# Altium PCB Lancelot.PcbDoc (part 6 of 14)
Units mil, origin at the board's own origin, x right, y up, seen from the top; angles counter-clockwise.
Board outline 4837.61 x 3252.61 mil, 6 copper layers (Top Layer, Mid-Layer 1, Mid-Layer 2, Mid-Layer 3, Mid-Layer 4, Bottom Layer); 372 components, 275 nets, 2062 pads, 1350 vias.
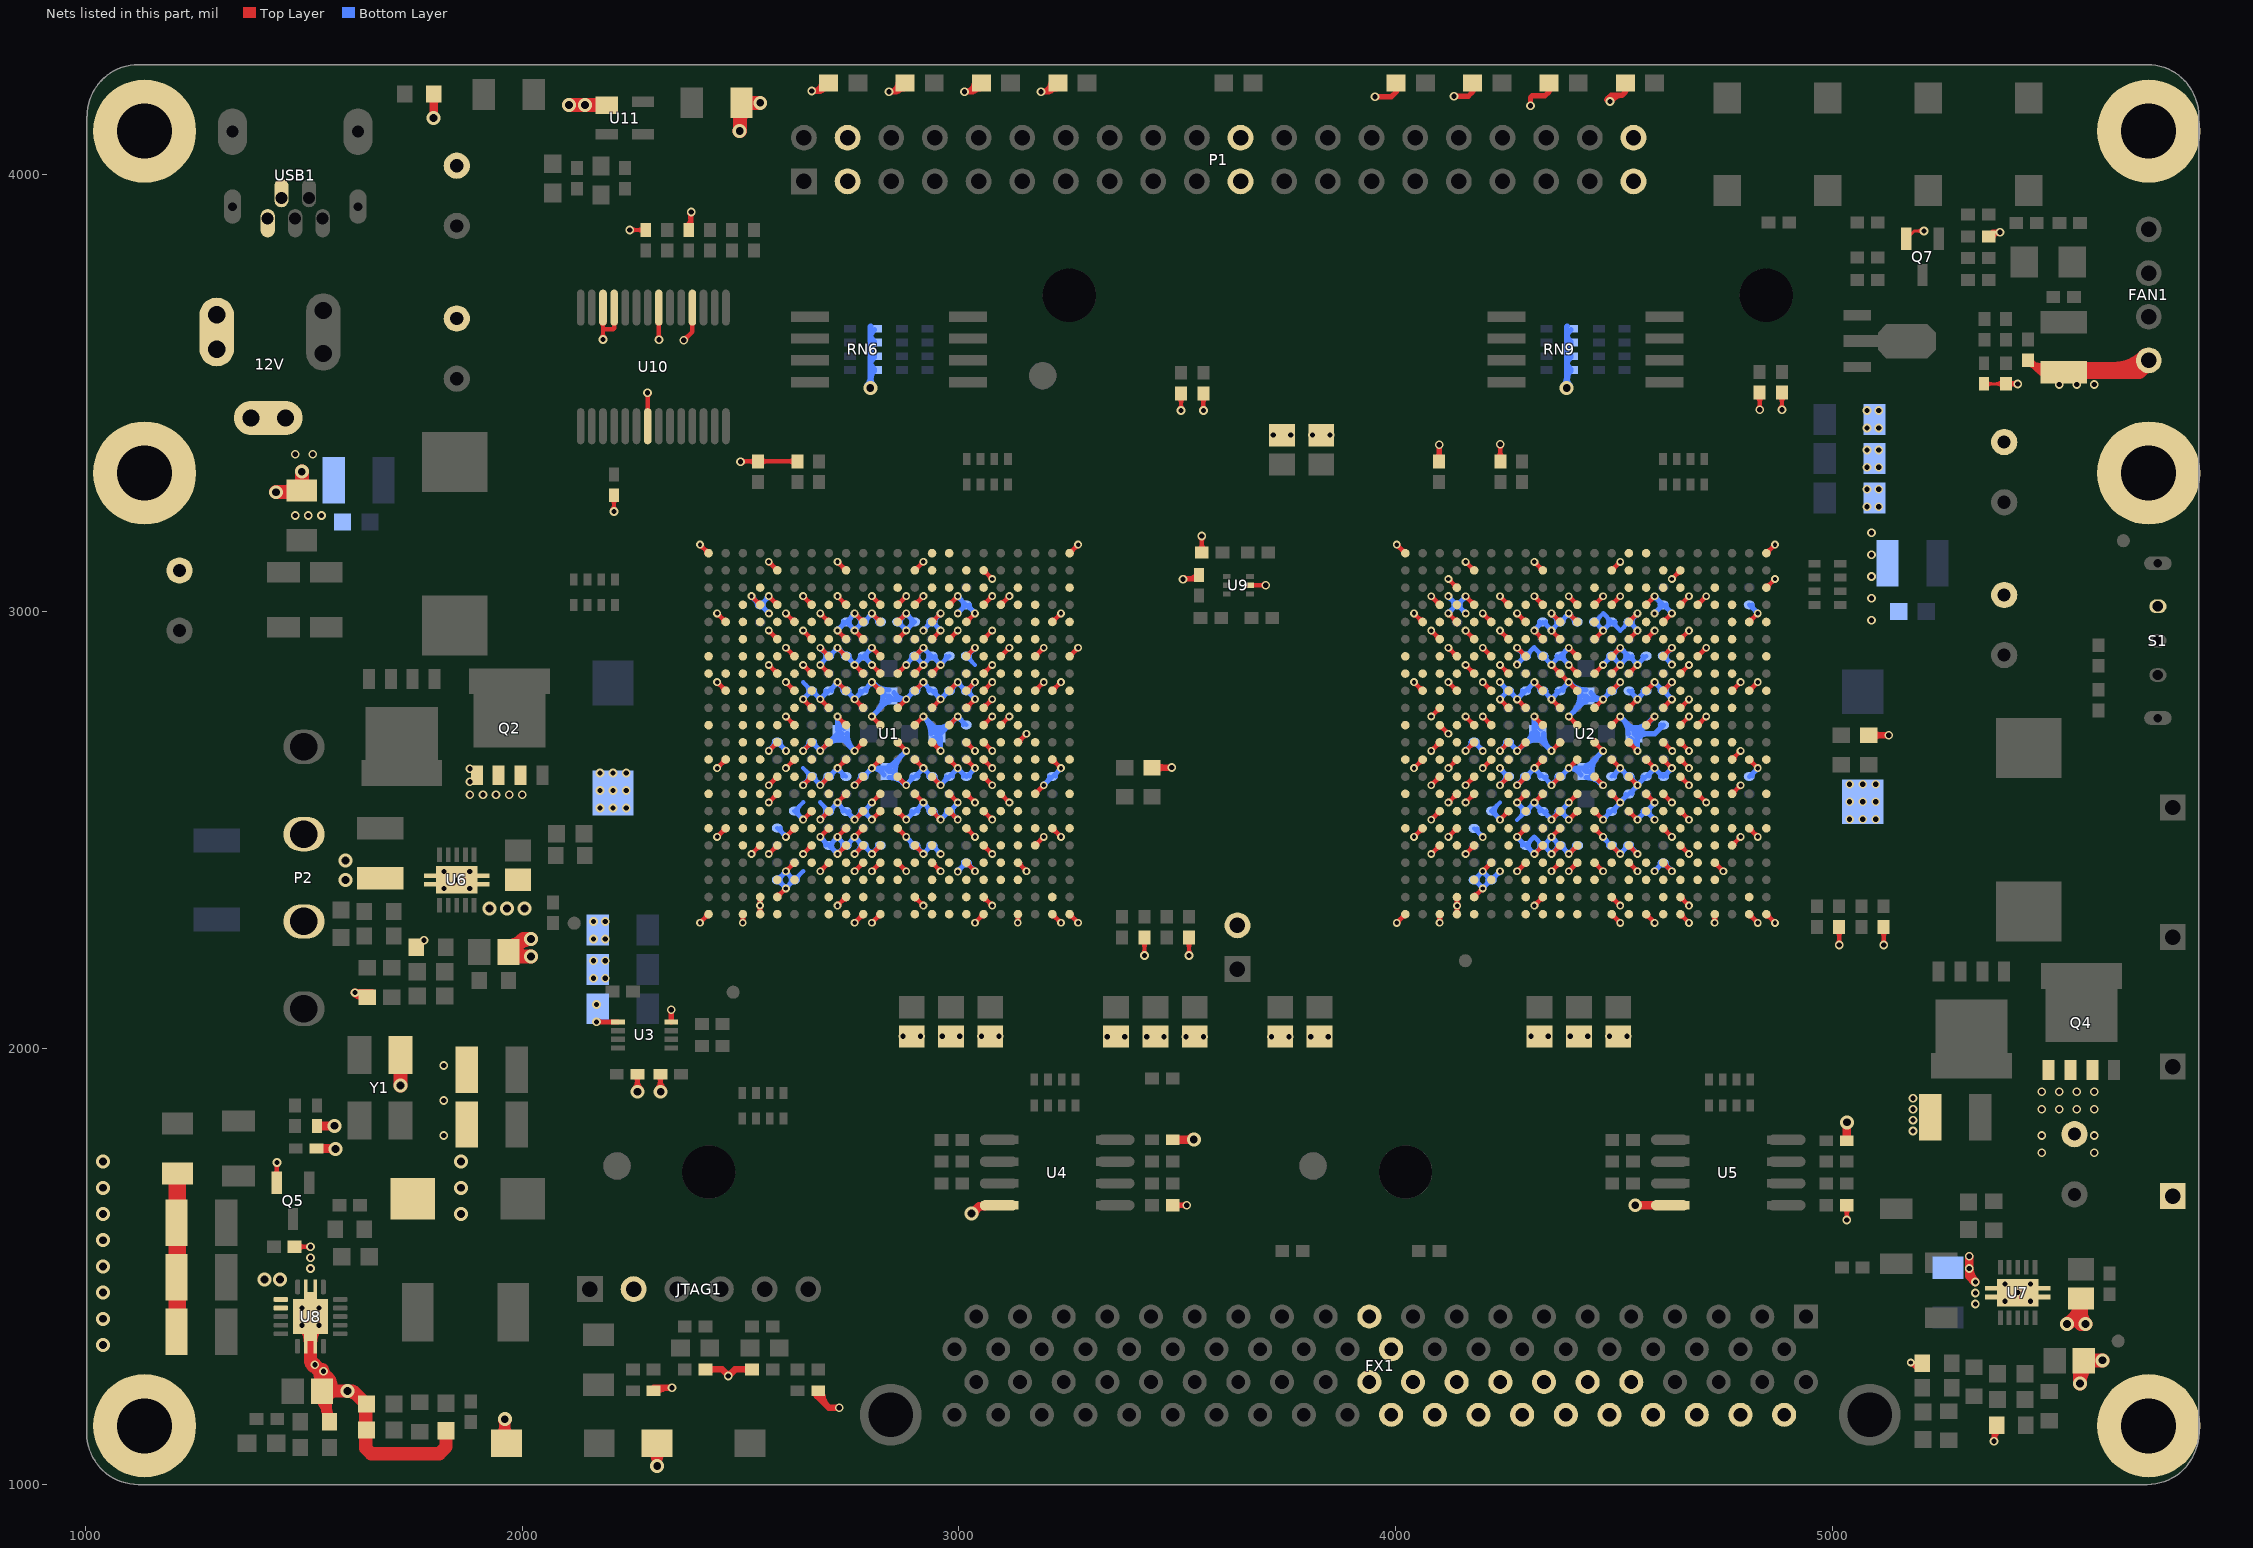
[diagram p10: the nets of this part, all layers, seen from the top]

## Via types
v1: diameter 18, hole 10, Top Layer to Bottom Layer, tented both sides, 625 vias
v2: diameter 20, hole 12, Top Layer to Bottom Layer, tented both sides, 515 vias
v3: diameter 32, hole 18, Top Layer to Bottom Layer, tented both sides, 191 vias
v4: diameter 23.62, hole 11.81, Top Layer to Bottom Layer, tented bottom, 10 vias
v5: diameter 19.68, hole 11.81, Top Layer to Bottom Layer, tented bottom, 4 vias
v6: diameter 118.11, hole 118.11, Top Layer to Bottom Layer, tented bottom, 2 vias
v7: diameter 78.74, hole 78.74, Top Layer to Bottom Layer, tented bottom, 2 vias
v8: diameter 50, hole 28, Top Layer to Bottom Layer, tented both sides, 1 vias

## Nets (pads, with @x,y where several pads share a name; then routed paths per layer and width w, separated by ;. In a path a pad name is that pad's centre, name@x,y a point inside that pad or via, vN(x,y) a via of type N, cw(c..) or ccw(c..) an arc to the next point about the centre after c; other vN are vias at no path point) (continued)
GND: (continued)
  Top Layer w10: Q5.2@1432.78,1709.93 ccw(c1421.16,1721.56) 1437.6,1721.56 ccw(c1454.04,1721.56) Q5.2@1442.41,1709.93 ; v2@1434.46,1734.46 cw(c1426.9,1726.9) 1437.6,1726.9 ; Q5.2@1437.6,1691.34 1437.6,1737.6 v2(1438,1738) ; 1437.6,1724.96 cw(c1451.04,1724.96) v2@1441.54,1734.46 ; R61.2@1478.62,1545 v2(1515,1545) ; R61.2@1486.8,1538.79 cw(c1501.79,1523.8) 1501.79,1545 cw(c1501.79,1566.2) R61.2@1486.8,1551.21 ; v2@1511.46,1541.46 ccw(c1502.93,1532.93) 1502.93,1545 ccw(c1502.93,1557.07) v2@1511.46,1548.54 ; R44.1@1750.47,2230 1758,2230 v2(1774.75,2246.75) ; R44.1@1769.75,2246.75 cw(c1757.68,2246.75) 1766.21,2238.21 cw(c1774.75,2229.68) R44.1@1774.75,2241.75 ; v2@2181.46,3626.54 ccw(c2173.31,3634.69) 2184.84,3634.69 ; U10.26@2182.11,3660.62 cw(c2175.53,3654.03) 2184.84,3654.03 cw(c2194.16,3654.03) U10.26@2187.57,3660.62 ; 2184.84,3635.45 ccw(c2197.45,3635.45) v2@2188.54,3626.54 ; U10.26@2184.84,3695.83 2184.84,3646 ; v2(2185,3623) 2184.84,3623.16 2184.84,3646 ; C185.1@2205.18,3257.62 cw(c2193.56,3246) 2210,3246 cw(c2226.44,3246) C185.1@2214.82,3257.62 ; v2@2206.46,3232.54 ccw(c2197.93,3241.07) 2210,3241.07 ccw(c2222.07,3241.07) v2@2213.54,3232.54 ; U10.25@2207.7,3660.62 cw(c2201.12,3654.03) 2210.43,3654.03 cw(c2219.75,3654.03) U10.25@2213.16,3660.62 ; v2(2210,3229) C185.1@2210,3266.38 ; U10.25@2210.43,3695.83 2210.43,3648.43 2208,3646 2184.84,3646 ; v2(2246.38,3873.62) C184.2@2283,3873.62 ; v2@2249.91,3870.09 cw(c2258.45,3861.55) 2258.45,3873.62 cw(c2258.45,3885.69) v2@2249.91,3877.16 ; C184.2@2278.18,3868.81 ccw(c2266.56,3857.18) 2266.56,3873.62 ccw(c2266.56,3890.07) C184.2@2278.18,3878.44 ; v2@2283.46,3497.46 cw(c2274.93,3488.93) 2287,3488.93 cw(c2299.07,3488.93) v2@2290.54,3497.46 ; U10.7@2287,3424.17 v2(2287,3501) ; 2287,3466.46 ccw(c2297.01,3466.46) U10.7@2289.93,3459.38 ; v3@2308.7,1043.3 v3(2309,1043) ; v2@2309.46,3625.54 ccw(c2301.42,3633.58) 2312.8,3633.58 ; U10.21@2310.07,3660.62 cw(c2303.48,3654.03) 2312.8,3654.03 cw(c2322.11,3654.03) U10.21@2315.52,3660.62 ; 2312.8,3634.57 ccw(c2325.57,3634.57) v2@2316.54,3625.54 ; U10.21@2312.8,3695.83 2312.8,3622.2 v2(2313,3622) ; v2(2370,3621) 2389.57,3640.57 U10.18@2389.57,3695.83 ; v2@2370,3626 ccw(c2370,3638.07) 2378.54,3629.54 ccw(c2387.07,3621) v2@2375,3621 ; C187.2@2376.18,3882.38 ccw(c2350.07,3908.49) v2@2387,3908.49 ; v2@2382.67,3912.5 cw(c2367.23,3903.59) 2384.45,3898.97 ; v2@2383.46,3911.46 cw(c2374.93,3902.93) 2387,3902.93 cw(c2399.07,3902.93) v2@2390.54,3911.46 ; U10.18@2386.84,3660.62 cw(c2380.25,3654.03) 2389.57,3654.03 cw(c2398.88,3654.03) U10.18@2392.3,3660.62 ; C187.2@2387,3873.62 v2(2387,3915) ; v1(2406.93,2286.93) U1.AB1@2426.61,2306.61 ; v1@2406.93,2290.93 ccw(c2406.93,2300.59) 2413.76,2293.76 ccw(c2420.59,2286.93) v1@2410.93,2286.93 ; v1@2406.93,3149.07 cw(c2406.93,3139.41) 2413.76,3146.24 cw(c2420.59,3153.07) v1@2410.93,3153.07 ; v1(2406.93,3153.07) U1.A1@2426.61,3133.39 ; U1.AB1@2421.77,2306.61 cw(c2410.08,2306.61) 2418.35,2298.35 cw(c2426.61,2290.08) U1.AB1@2426.61,2301.77 ; U1.A1@2421.77,3133.39 ccw(c2410.08,3133.39) 2418.35,3141.65 ccw(c2426.61,3149.92) U1.A1@2426.61,3138.23 ; v1(2446.3,2483.78) U1.U2@2465.98,2503.46 ; v1@2446.3,2487.78 ccw(c2446.3,2497.44) 2453.13,2490.61 ccw(c2459.96,2483.78) v1@2450.3,2483.78 ; v1(2446.3,2641.26) U1.N2@2465.98,2660.95 ; v1@2446.3,2645.26 ccw(c2446.3,2654.92) 2453.13,2648.09 ccw(c2459.96,2641.26) v1@2450.3,2641.26 ; v1@2446.3,2834.11 cw(c2446.3,2824.45) 2453.13,2831.28 cw(c2459.96,2838.11) v1@2450.3,2838.11 ; v1(2446.3,2838.11) U1.J2@2465.98,2818.43 ; v1@2446.3,2991.59 cw(c2446.3,2981.93) 2453.13,2988.76 cw(c2459.96,2995.59) v1@2450.3,2995.59 ; v1(2446.3,2995.59) U1.E2@2465.98,2975.91 ; U1.U2@2461.14,2503.46 cw(c2449.45,2503.46) 2457.72,2495.2 cw(c2465.98,2486.93) U1.U2@2465.98,2498.62 ; U1.N2@2461.14,2660.95 cw(c2449.45,2660.95) 2457.72,2652.68 cw(c2465.98,2644.41) U1.N2@2465.98,2656.1 ; U1.J2@2461.14,2818.43 ccw(c2449.45,2818.43) 2457.72,2826.69 ccw(c2465.98,2834.96) U1.J2@2465.98,2823.27 ; U1.E2@2461.14,2975.91 ccw(c2449.45,2975.91) 2457.72,2984.17 ccw(c2465.98,2992.44) U1.E2@2465.98,2980.75 ; v2(2500,3343) 2500.62,3343.62 R84.2@2630,3343.62 ; v2@2503.54,3339.46 cw(c2513.57,3329.43) 2513.57,3343.62 ; v2@2503.54,3346.54 ccw(c2510.57,3353.57) 2510.57,3343.62 ; v1(2525.04,2444.41) U1.V4@2544.72,2464.09 ; v1@2525.04,2448.41 ccw(c2525.04,2458.07) 2531.87,2451.24 ccw(c2538.7,2444.41) v1@2529.04,2444.41 ; v1@2525.04,3030.96 cw(c2525.04,3021.3) 2531.87,3028.13 cw(c2538.7,3034.96) v1@2529.04,3034.96 ; v1(2525.04,3034.96) U1.D4@2544.72,3015.28 ; R13.1@2533.79,3337.41 ccw(c2518.8,3322.43) 2518.8,3343.62 ccw(c2518.8,3364.82) R13.1@2533.79,3349.83 ; U1.V4@2539.88,2464.09 cw(c2528.19,2464.09) 2536.46,2455.83 cw(c2544.72,2447.56) U1.V4@2544.72,2459.25 ; U1.D4@2539.88,3015.28 ccw(c2528.19,3015.28) 2536.46,3023.54 ccw(c2544.72,3031.81) U1.D4@2544.72,3020.12 ; U1.AB4@2541.3,2310.04 ccw(c2533.03,2318.3) 2544.72,2318.3 ccw(c2556.42,2318.3) U1.AB4@2548.15,2310.04 ; v1@2541.55,2323.61 cw(c2533.88,2315.95) U1.AB4@2544.72,2315.95 ; v1@2541.96,2323.26 cw(c2538.1,2318.19) 2544.25,2316.54 ; U1.AB4@2544.72,2306.61 v1@2544.72,2326.79 ; U1.AB4@2545.5,2315.42 cw(c2554.42,2317.81) v1@2547.41,2323.83 ; R13.1@2546.21,3337.41 cw(c2561.2,3322.43) 2561.2,3343.62 cw(c2561.2,3364.82) R13.1@2546.21,3349.83 ; v1(2564.41,2444.41) U1.V5@2584.09,2464.09 ; v1@2564.41,2448.41 ccw(c2564.41,2458.07) 2571.24,2451.24 ccw(c2578.07,2444.41) v1@2568.41,2444.41 ; v1(2564.41,2562.52) U1.R5@2584.09,2582.2 ; v1@2564.41,2566.52 ccw(c2564.41,2576.18) 2571.24,2569.35 ccw(c2578.07,2562.52) v1@2568.41,2562.52 ; v1(2564.41,2601.89) U1.P5@2584.09,2621.57 ; v1@2564.41,2605.89 ccw(c2564.41,2615.55) 2571.24,2608.72 ccw(c2578.07,2601.89) v1@2568.41,2601.89 ; v1(2564.41,2680.63) U1.M5@2584.09,2700.32 ; v1@2564.41,2684.63 ccw(c2564.41,2694.29) 2571.24,2687.46 ccw(c2578.07,2680.63) v1@2568.41,2680.63 ; v1@2564.41,2873.48 cw(c2564.41,2863.82) 2571.24,2870.65 cw(c2578.07,2877.48) v1@2568.41,2877.48 ; v1(2564.41,2877.48) U1.H5@2584.09,2857.8 ; v1@2564.41,2952.22 cw(c2564.41,2942.56) 2571.24,2949.39 cw(c2578.07,2956.22) v1@2568.41,2956.22 ; v1(2564.41,2956.22) U1.F5@2584.09,2936.54 ; v1@2564.41,3030.96 cw(c2564.41,3021.3) 2571.24,3028.13 cw(c2578.07,3034.96) v1@2568.41,3034.96 ; v1(2564.41,3034.96) U1.D5@2584.09,3015.28 ; v1@2564.41,3109.7 cw(c2564.41,3100.04) 2571.24,3106.87 cw(c2578.07,3113.7) v1@2568.41,3113.7 ; v1(2564.41,3113.7) U1.B5@2584.09,3094.02 ; U1.V5@2579.25,2464.09 cw(c2567.56,2464.09) 2575.83,2455.83 cw(c2584.09,2447.56) U1.V5@2584.09,2459.25 ; U1.R5@2579.25,2582.2 cw(c2567.56,2582.2) 2575.83,2573.94 cw(c2584.09,2565.67) U1.R5@2584.09,2577.36 ; U1.P5@2579.25,2621.57 cw(c2567.56,2621.57) 2575.83,2613.31 cw(c2584.09,2605.04) U1.P5@2584.09,2616.73 ; U1.M5@2579.25,2700.32 cw(c2567.56,2700.32) 2575.83,2692.05 cw(c2584.09,2683.78) U1.M5@2584.09,2695.47 ; U1.H5@2579.25,2857.8 ccw(c2567.56,2857.8) 2575.83,2866.06 ccw(c2584.09,2874.33) U1.H5@2584.09,2862.64 ; U1.F5@2579.25,2936.54 ccw(c2567.56,2936.54) 2575.83,2944.8 ccw(c2584.09,2953.07) U1.F5@2584.09,2941.38 ; U1.D5@2579.25,3015.28 ccw(c2567.56,3015.28) 2575.83,3023.54 ccw(c2584.09,3031.81) U1.D5@2584.09,3020.12 ; U1.B5@2579.25,3094.02 ccw(c2567.56,3094.02) 2575.83,3102.28 ccw(c2584.09,3110.55) U1.B5@2584.09,3098.86 ; U1.AA5@2584.09,2345.98 2603.71,2365.6 v1(2603.78,2365.6) ; U1.AA5@2584.09,2350.83 ccw(c2584.09,2362.52) 2592.36,2354.25 ccw(c2600.63,2345.98) U1.AA5@2588.94,2345.98 ; 2596.83,2358.72 cw(c2603.78,2351.77) v1@2603.78,2361.6 ; 2597,2358.89 ccw(c2590.29,2365.6) v1@2599.78,2365.6 ; v1(2603.78,2405.04) U1.W6@2623.46,2424.72 ; v1@2603.78,2409.04 ccw(c2603.78,2418.7) 2610.61,2411.87 ccw(c2617.44,2405.04) v1@2607.78,2405.04 ; v1(2603.78,2483.78) U1.U6@2623.46,2503.46 ; v1@2603.78,2487.78 ccw(c2603.78,2497.44) 2610.61,2490.61 ccw(c2617.44,2483.78) v1@2607.78,2483.78 ; v1(2603.78,2641.26) U1.N6@2623.46,2660.95 ; v1@2603.78,2645.26 ccw(c2603.78,2654.92) 2610.61,2648.09 ccw(c2617.44,2641.26) v1@2607.78,2641.26 ; v1@2603.78,2755.37 cw(c2603.78,2745.71) 2610.61,2752.54 cw(c2617.44,2759.37) v1@2607.78,2759.37 ; v1(2603.78,2759.37) U1.L6@2623.46,2739.69 ; v1@2603.78,2834.11 cw(c2603.78,2824.45) 2610.61,2831.28 cw(c2617.44,2838.11) v1@2607.78,2838.11 ; v1(2603.78,2838.11) U1.J6@2623.46,2818.43 ; v1@2603.78,2912.85 cw(c2603.78,2903.19) 2610.61,2910.02 cw(c2617.44,2916.85) v1@2607.78,2916.85 ; v1(2603.78,2916.85) U1.G6@2623.46,2897.17 ; v1@2603.78,2991.59 cw(c2603.78,2981.93) 2610.61,2988.76 cw(c2617.44,2995.59) v1@2607.78,2995.59 ; v1(2603.78,2995.59) U1.E6@2623.46,2975.91 ; U1.W6@2618.62,2424.72 cw(c2606.93,2424.72) 2615.2,2416.46 cw(c2623.46,2408.19) U1.W6@2623.46,2419.88 ; U1.U6@2618.62,2503.46 cw(c2606.93,2503.46) 2615.2,2495.2 cw(c2623.46,2486.93) U1.U6@2623.46,2498.62 ; U1.N6@2618.62,2660.95 cw(c2606.93,2660.95) 2615.2,2652.68 cw(c2623.46,2644.41) U1.N6@2623.46,2656.1 ; U1.L6@2618.62,2739.69 ccw(c2606.93,2739.69) 2615.2,2747.95 ccw(c2623.46,2756.22) U1.L6@2623.46,2744.53 ; U1.J6@2618.62,2818.43 ccw(c2606.93,2818.43) 2615.2,2826.69 ccw(c2623.46,2834.96) U1.J6@2623.46,2823.27 ; U1.G6@2618.62,2897.17 ccw(c2606.93,2897.17) 2615.2,2905.43 ccw(c2623.46,2913.7) U1.G6@2623.46,2902.01 ; U1.E6@2618.62,2975.91 ccw(c2606.93,2975.91) 2615.2,2984.17 ccw(c2623.46,2992.44) U1.E6@2623.46,2980.75 ; R84.2@2623.79,3337.41 ccw(c2608.8,3322.43) 2608.8,3343.62 ccw(c2608.8,3364.82) R84.2@2623.79,3349.83 ; v1(2643.15,2444.41) U1.V7@2662.83,2464.09 ; v1@2643.15,2448.41 ccw(c2643.15,2458.07) 2649.98,2451.24 ccw(c2656.81,2444.41) v1@2647.15,2444.41 ; v1(2643.15,2523.15) U1.T7@2662.83,2542.83 ; v1@2643.15,2527.15 ccw(c2643.15,2536.81) 2649.98,2529.98 ccw(c2656.81,2523.15) v1@2647.15,2523.15 ; v1(2643.15,2601.89) U1.P7@2662.83,2621.57 ; v1@2643.15,2605.89 ccw(c2643.15,2615.55) 2649.98,2608.72 ccw(c2656.81,2601.89) v1@2647.15,2601.89 ; v1(2643.15,2680.63) U1.M7@2662.83,2700.32 ; v1@2643.15,2684.63 ccw(c2643.15,2694.29) 2649.98,2687.46 ccw(c2656.81,2680.63) v1@2647.15,2680.63 ; v1@2643.15,2794.74 cw(c2643.15,2785.08) 2649.98,2791.91 cw(c2656.81,2798.74) v1@2647.15,2798.74 ; v1(2643.15,2798.74) U1.K7@2662.83,2779.06 ; v1@2643.15,2873.48 cw(c2643.15,2863.82) 2649.98,2870.65 cw(c2656.81,2877.48) v1@2647.15,2877.48 ; v1(2643.15,2877.48) U1.H7@2662.83,2857.8 ; v1@2643.15,2952.22 cw(c2643.15,2942.56) 2649.98,2949.39 cw(c2656.81,2956.22) v1@2647.15,2956.22 ; v1(2643.15,2956.22) U1.F7@2662.83,2936.54 ; v1@2643.15,3030.96 cw(c2643.15,3021.3) 2649.98,3028.13 cw(c2656.81,3034.96) v1@2647.15,3034.96 ; v1(2643.15,3034.96) U1.D7@2662.83,3015.28 ; U1.V7@2657.99,2464.09 cw(c2646.3,2464.09) 2654.57,2455.83 cw(c2662.83,2447.56) U1.V7@2662.83,2459.25 ; U1.T7@2657.99,2542.83 cw(c2646.3,2542.83) 2654.57,2534.57 cw(c2662.83,2526.3) U1.T7@2662.83,2537.99 ; U1.P7@2657.99,2621.57 cw(c2646.3,2621.57) 2654.57,2613.31 cw(c2662.83,2605.04) U1.P7@2662.83,2616.73 ; U1.M7@2657.99,2700.32 cw(c2646.3,2700.32) 2654.57,2692.05 cw(c2662.83,2683.78) U1.M7@2662.83,2695.47 ; U1.K7@2657.99,2779.06 ccw(c2646.3,2779.06) 2654.57,2787.32 ccw(c2662.83,2795.59) U1.K7@2662.83,2783.9 ; U1.H7@2657.99,2857.8 ccw(c2646.3,2857.8) 2654.57,2866.06 ccw(c2662.83,2874.33) U1.H7@2662.83,2862.64 ; U1.F7@2657.99,2936.54 ccw(c2646.3,2936.54) 2654.57,2944.8 ccw(c2662.83,2953.07) U1.F7@2662.83,2941.38 ; U1.D7@2657.99,3015.28 ccw(c2646.3,3015.28) 2654.57,3023.54 ccw(c2662.83,3031.81) U1.D7@2662.83,3020.12 ; v1(2682.52,2405.04) U1.W8@2702.2,2424.72 ; v1@2682.52,2409.04 ccw(c2682.52,2418.7) 2689.35,2411.87 ccw(c2696.18,2405.04) v1@2686.52,2405.04 ; v1(2682.52,2483.78) U1.U8@2702.2,2503.46 ; v1@2682.52,2487.78 ccw(c2682.52,2497.44) 2689.35,2490.61 ccw(c2696.18,2483.78) v1@2686.52,2483.78 ; v1(2682.52,2523.15) U1.T8@2702.2,2542.83 ; v1@2682.52,2527.15 ccw(c2682.52,2536.81) 2689.35,2529.98 ccw(c2696.18,2523.15) v1@2686.52,2523.15 ; v1(2682.52,2601.89) U1.P8@2702.2,2621.57 ; v1@2682.52,2605.89 ccw(c2682.52,2615.55) 2689.35,2608.72 ccw(c2696.18,2601.89) v1@2686.52,2601.89 ; v1(2682.52,2680.63) U1.M8@2702.2,2700.32 ; v1@2682.52,2684.63 ccw(c2682.52,2694.29) 2689.35,2687.46 ccw(c2696.18,2680.63) v1@2686.52,2680.63 ; v1@2682.52,2794.74 cw(c2682.52,2785.08) 2689.35,2791.91 cw(c2696.18,2798.74) v1@2686.52,2798.74 ; v1(2682.52,2798.74) U1.K8@2702.2,2779.06 ; v1@2682.52,2873.48 cw(c2682.52,2863.82) 2689.35,2870.65 cw(c2696.18,2877.48) v1@2686.52,2877.48 ; v1(2682.52,2877.48) U1.H8@2702.2,2857.8 ; v1@2682.52,2912.85 cw(c2682.52,2903.19) 2689.35,2910.02 cw(c2696.18,2916.85) v1@2686.52,2916.85 ; v1(2682.52,2916.85) U1.G8@2702.2,2897.17 ; v1@2682.52,2991.59 cw(c2682.52,2981.93) 2689.35,2988.76 cw(c2696.18,2995.59) v1@2686.52,2995.59 ; v1(2682.52,2995.59) U1.E8@2702.2,2975.91 ; U1.W8@2697.36,2424.72 cw(c2685.67,2424.72) 2693.94,2416.46 cw(c2702.2,2408.19) U1.W8@2702.2,2419.88 ; U1.U8@2697.36,2503.46 cw(c2685.67,2503.46) 2693.94,2495.2 cw(c2702.2,2486.93) U1.U8@2702.2,2498.62 ; U1.T8@2697.36,2542.83 cw(c2685.67,2542.83) 2693.94,2534.57 cw(c2702.2,2526.3) U1.T8@2702.2,2537.99 ; U1.P8@2697.36,2621.57 cw(c2685.67,2621.57) 2693.94,2613.31 cw(c2702.2,2605.04) U1.P8@2702.2,2616.73 ; U1.M8@2697.36,2700.32 cw(c2685.67,2700.32) 2693.94,2692.05 cw(c2702.2,2683.78) U1.M8@2702.2,2695.47 ; U1.K8@2697.36,2779.06 ccw(c2685.67,2779.06) 2693.94,2787.32 ccw(c2702.2,2795.59) U1.K8@2702.2,2783.9 ; U1.H8@2697.36,2857.8 ccw(c2685.67,2857.8) 2693.94,2866.06 ccw(c2702.2,2874.33) U1.H8@2702.2,2862.64 ; U1.G8@2697.36,2897.17 ccw(c2685.67,2897.17) 2693.94,2905.43 ccw(c2702.2,2913.7) U1.G8@2702.2,2902.01 ; U1.E8@2697.36,2975.91 ccw(c2685.67,2975.91) 2693.94,2984.17 ccw(c2702.2,2992.44) U1.E8@2702.2,2980.75 ; v1(2721.89,2326.3) U1.AA9@2741.57,2345.98 ; v1@2721.89,2330.3 ccw(c2721.89,2339.96) 2728.72,2333.13 ccw(c2735.55,2326.3) v1@2725.89,2326.3 ; v1(2721.89,2444.41) U1.V9@2741.57,2464.09 ; v1@2721.89,2448.41 ccw(c2721.89,2458.07) 2728.72,2451.24 ccw(c2735.55,2444.41) v1@2725.89,2444.41 ; v1(2721.89,2483.78) U1.U9@2741.57,2503.46 ; v1@2721.89,2487.78 ccw(c2721.89,2497.44) 2728.72,2490.61 ccw(c2735.55,2483.78) v1@2725.89,2483.78 ; v1(2721.89,2562.52) U1.R9@2741.57,2582.2 ; v1@2721.89,2566.52 ccw(c2721.89,2576.18) 2728.72,2569.35 ccw(c2735.55,2562.52) v1@2725.89,2562.52 ; v1(2721.89,2641.26) U1.N9@2741.57,2660.95 ; v1@2721.89,2645.26 ccw(c2721.89,2654.92) 2728.72,2648.09 ccw(c2735.55,2641.26) v1@2725.89,2641.26 ; v1@2721.89,2755.37 cw(c2721.89,2745.71) 2728.72,2752.54 cw(c2735.55,2759.37) v1@2725.89,2759.37 ; v1(2721.89,2759.37) U1.L9@2741.57,2739.69 ; v1@2721.89,2834.11 cw(c2721.89,2824.45) 2728.72,2831.28 cw(c2735.55,2838.11) v1@2725.89,2838.11 ; v1(2721.89,2838.11) U1.J9@2741.57,2818.43 ; v1@2721.89,2912.85 cw(c2721.89,2903.19) 2728.72,2910.02 cw(c2735.55,2916.85) v1@2725.89,2916.85 ; v1(2721.89,2916.85) U1.G9@2741.57,2897.17 ; v1@2721.89,2952.22 cw(c2721.89,2942.56) 2728.72,2949.39 cw(c2735.55,2956.22) v1@2725.89,2956.22 ; v1(2721.89,2956.22) U1.F9@2741.57,2936.54 ; v1@2721.89,3030.96 cw(c2721.89,3021.3) 2728.72,3028.13 cw(c2735.55,3034.96) v1@2725.89,3034.96 ; v1(2721.89,3034.96) U1.D9@2741.57,3015.28 ; v1@2721.89,3109.7 cw(c2721.89,3100.04) 2728.72,3106.87 cw(c2735.55,3113.7) v1@2725.89,3113.7 ; v1(2721.89,3113.7) U1.B9@2741.57,3094.02 ; U1.AA9@2736.73,2345.98 cw(c2725.04,2345.98) 2733.31,2337.72 cw(c2741.57,2329.45) U1.AA9@2741.57,2341.14 ; U1.V9@2736.73,2464.09 cw(c2725.04,2464.09) 2733.31,2455.83 cw(c2741.57,2447.56) U1.V9@2741.57,2459.25 ; U1.U9@2736.73,2503.46 cw(c2725.04,2503.46) 2733.31,2495.2 cw(c2741.57,2486.93) U1.U9@2741.57,2498.62 ; U1.R9@2736.73,2582.2 cw(c2725.04,2582.2) 2733.31,2573.94 cw(c2741.57,2565.67) U1.R9@2741.57,2577.36 ; U1.N9@2736.73,2660.95 cw(c2725.04,2660.95) 2733.31,2652.68 cw(c2741.57,2644.41) U1.N9@2741.57,2656.1 ; U1.L9@2736.73,2739.69 ccw(c2725.04,2739.69) 2733.31,2747.95 ccw(c2741.57,2756.22) U1.L9@2741.57,2744.53 ; U1.J9@2736.73,2818.43 ccw(c2725.04,2818.43) 2733.31,2826.69 ccw(c2741.57,2834.96) U1.J9@2741.57,2823.27 ; U1.G9@2736.73,2897.17 ccw(c2725.04,2897.17) 2733.31,2905.43 ccw(c2741.57,2913.7) U1.G9@2741.57,2902.01 ; U1.F9@2736.73,2936.54 ccw(c2725.04,2936.54) 2733.31,2944.8 ccw(c2741.57,2953.07) U1.F9@2741.57,2941.38 ; U1.D9@2736.73,3015.28 ccw(c2725.04,3015.28) 2733.31,3023.54 ccw(c2741.57,3031.81) U1.D9@2741.57,3020.12 ; U1.B9@2736.73,3094.02 ccw(c2725.04,3094.02) 2733.31,3102.28 ccw(c2741.57,3110.55) U1.B9@2741.57,3098.86 ; v1(2761.26,2286.93) U1.AB10@2780.94,2306.61 ; v1@2761.26,2290.93 ccw(c2761.26,2300.59) 2768.09,2293.76 ccw(c2774.92,2286.93) v1@2765.26,2286.93 ; v1(2761.26,2405.04) U1.W10@2780.94,2424.72 ; v1@2761.26,2409.04 ccw(c2761.26,2418.7) 2768.09,2411.87 ccw(c2774.92,2405.04) v1@2765.26,2405.04 ; v1(2761.26,2444.41) U1.V10@2780.94,2464.09 ; v1@2761.26,2448.41 ccw(c2761.26,2458.07) 2768.09,2451.24 ccw(c2774.92,2444.41) v1@2765.26,2444.41 ; v1(2761.26,2483.78) U1.U10@2780.94,2503.46 ; v1@2761.26,2487.78 ccw(c2761.26,2497.44) 2768.09,2490.61 ccw(c2774.92,2483.78) v1@2765.26,2483.78 ; v1(2761.26,2523.15) U1.T10@2780.94,2542.83 ; v1@2761.26,2527.15 ccw(c2761.26,2536.81) 2768.09,2529.98 ccw(c2774.92,2523.15) v1@2765.26,2523.15 ; v1(2761.26,2601.89) U1.P10@2780.94,2621.57 ; v1@2761.26,2605.89 ccw(c2761.26,2615.55) 2768.09,2608.72 ccw(c2774.92,2601.89) v1@2765.26,2601.89 ; v1(2761.26,2680.63) U1.M10@2780.94,2700.32 ; v1@2761.26,2684.63 ccw(c2761.26,2694.29) 2768.09,2687.46 ccw(c2774.92,2680.63) v1@2765.26,2680.63 ; v1@2761.26,2794.74 cw(c2761.26,2785.08) 2768.09,2791.91 cw(c2774.92,2798.74) v1@2765.26,2798.74 ; v1(2761.26,2798.74) U1.K10@2780.94,2779.06 ; v1@2761.26,2873.48 cw(c2761.26,2863.82) 2768.09,2870.65 cw(c2774.92,2877.48) v1@2765.26,2877.48 ; v1(2761.26,2877.48) U1.H10@2780.94,2857.8 ; v1@2761.26,2952.22 cw(c2761.26,2942.56) 2768.09,2949.39 cw(c2774.92,2956.22) v1@2765.26,2956.22 ; v1(2761.26,2956.22) U1.F10@2780.94,2936.54 ; v1@2761.26,2991.59 cw(c2761.26,2981.93) 2768.09,2988.76 cw(c2774.92,2995.59) v1@2765.26,2995.59 ; v1(2761.26,2995.59) U1.E10@2780.94,2975.91 ; U1.AB10@2776.1,2306.61 cw(c2764.41,2306.61) 2772.68,2298.35 cw(c2780.94,2290.08) U1.AB10@2780.94,2301.77 ; U1.W10@2776.1,2424.72 cw(c2764.41,2424.72) 2772.68,2416.46 cw(c2780.94,2408.19) U1.W10@2780.94,2419.88 ; U1.V10@2776.1,2464.09 cw(c2764.41,2464.09) 2772.68,2455.83 cw(c2780.94,2447.56) U1.V10@2780.94,2459.25 ; U1.U10@2776.1,2503.46 cw(c2764.41,2503.46) 2772.68,2495.2 cw(c2780.94,2486.93) U1.U10@2780.94,2498.62 ; U1.T10@2776.1,2542.83 cw(c2764.41,2542.83) 2772.68,2534.57 cw(c2780.94,2526.3) U1.T10@2780.94,2537.99 ; U1.P10@2776.1,2621.57 cw(c2764.41,2621.57) 2772.68,2613.31 cw(c2780.94,2605.04) U1.P10@2780.94,2616.73 ; U1.M10@2776.1,2700.32 cw(c2764.41,2700.32) 2772.68,2692.05 cw(c2780.94,2683.78) U1.M10@2780.94,2695.47 ; U1.K10@2776.1,2779.06 ccw(c2764.41,2779.06) 2772.68,2787.32 ccw(c2780.94,2795.59) U1.K10@2780.94,2783.9 ; U1.H10@2776.1,2857.8 ccw(c2764.41,2857.8) 2772.68,2866.06 ccw(c2780.94,2874.33) U1.H10@2780.94,2862.64 ; U1.F10@2776.1,2936.54 ccw(c2764.41,2936.54) 2772.68,2944.8 ccw(c2780.94,2953.07) U1.F10@2780.94,2941.38 ; U1.E10@2776.1,2975.91 ccw(c2764.41,2975.91) 2772.68,2984.17 ccw(c2780.94,2992.44) U1.E10@2780.94,2980.75 ; v1(2800.63,2286.93) U1.AB11@2820.32,2306.61 ; v1@2800.63,2290.93 ccw(c2800.63,2300.59) 2807.46,2293.76 ccw(c2814.29,2286.93) v1@2804.63,2286.93 ; v1(2800.63,2405.04) U1.W11@2820.32,2424.72 ; v1@2800.63,2409.04 ccw(c2800.63,2418.7) 2807.46,2411.87 ccw(c2814.29,2405.04) v1@2804.63,2405.04 ; v1(2800.63,2444.41) U1.V11@2820.32,2464.09 ; v1@2800.63,2448.41 ccw(c2800.63,2458.07) 2807.46,2451.24 ccw(c2814.29,2444.41) v1@2804.63,2444.41 ; v1(2800.63,2523.15) U1.T11@2820.32,2542.83 ; v1@2800.63,2527.15 ccw(c2800.63,2536.81) 2807.46,2529.98 ccw(c2814.29,2523.15) v1@2804.63,2523.15 ; v1(2800.63,2562.52) U1.R11@2820.32,2582.2 ; v1@2800.63,2566.52 ccw(c2800.63,2576.18) 2807.46,2569.35 ccw(c2814.29,2562.52) v1@2804.63,2562.52 ; v1(2800.63,2641.26) U1.N11@2820.32,2660.95 ; v1@2800.63,2645.26 ccw(c2800.63,2654.92) 2807.46,2648.09 ccw(c2814.29,2641.26) v1@2804.63,2641.26 ; v1@2800.63,2755.37 cw(c2800.63,2745.71) 2807.46,2752.54 cw(c2814.29,2759.37) v1@2804.63,2759.37 ; v1(2800.63,2759.37) U1.L11@2820.32,2739.69 ; v1@2800.63,2834.11 